# KiCad board shimarray.kicad_pcb (continued)
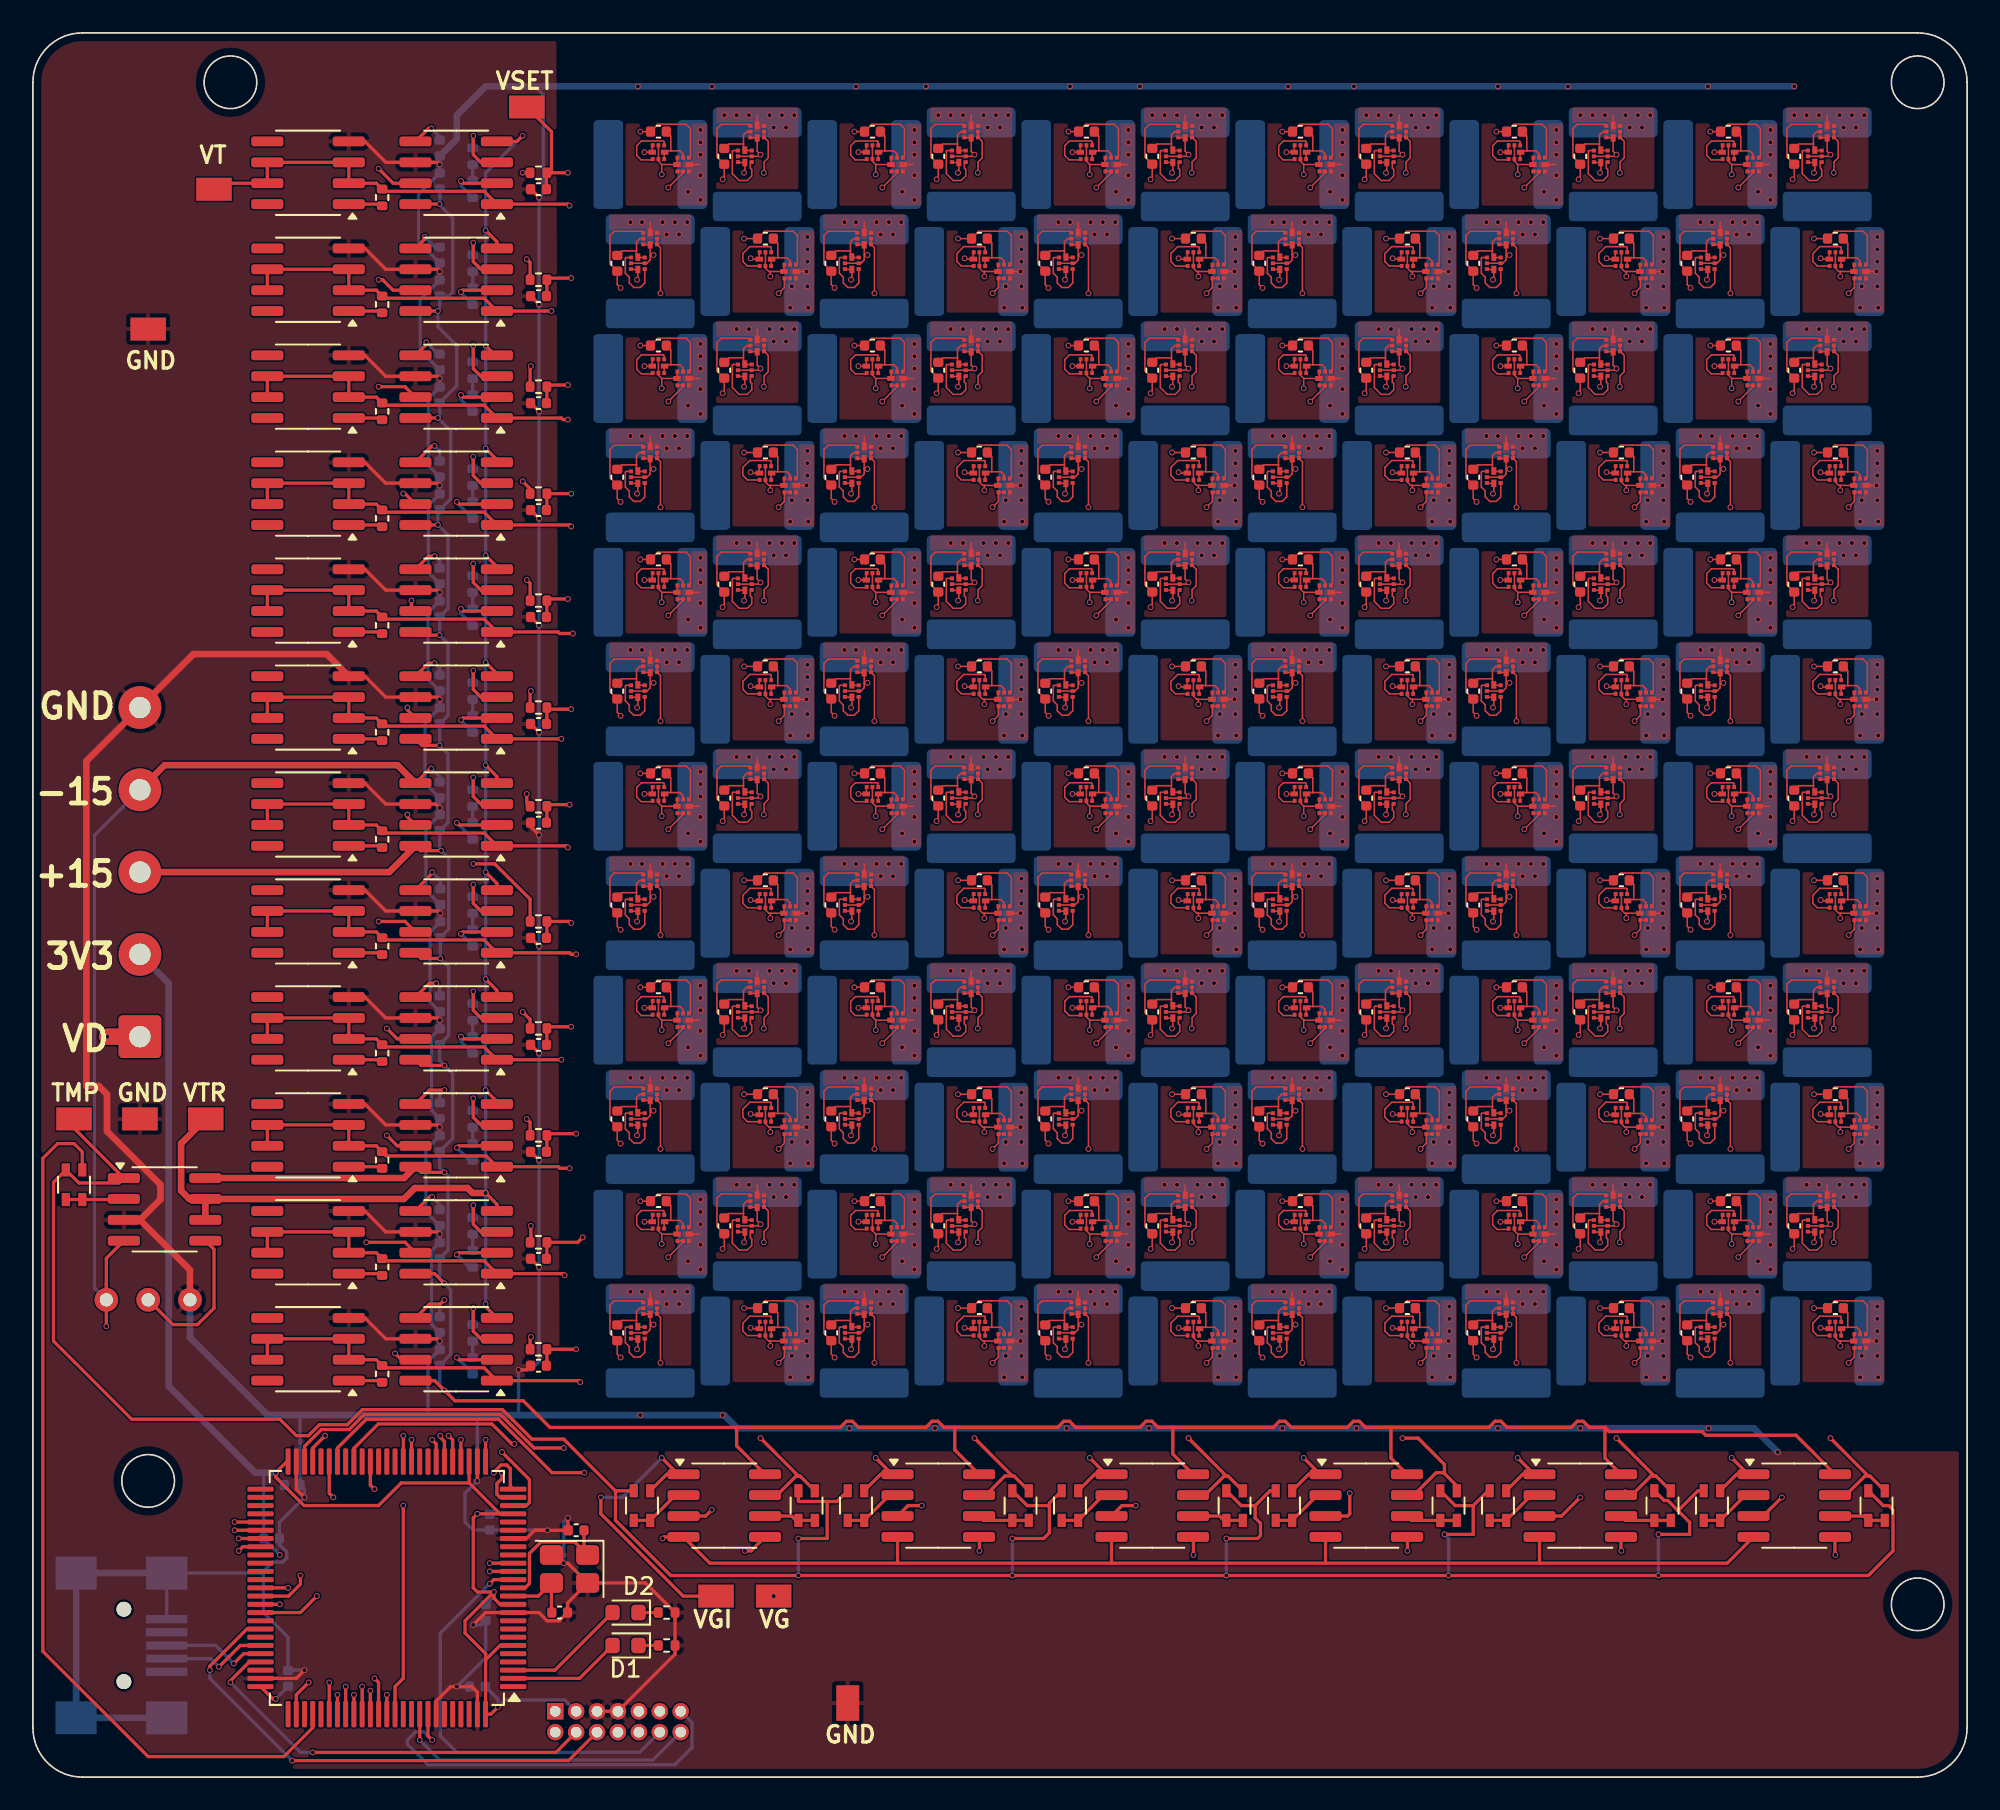
[diagram p0: board, top side]
## Routing (per net, layer and track width the routed paths; a pad name or vN(x,y) marks a point on that pad's centre or on a via; arc(x,y) is an arc through that point) (continued)
Net-(Q63A-S): length 3.7
  Top w0.09: Q63.1 51.35,86.38 51.3,86.43 49.97,86.43 49.68,86.14 49.68,85.56 49.96,85.28 50.6,85.28 Q63.3
Net-(Q64B-G): length 3.1
  Top w0.09: Q64.4 52.5,85.63 52.3,85.83 51.75,85.83 ; C72.1 51.75,86.73 51.75,85.83 ; 51.75,85.83 51.38,85.83 51.35,85.81 51.35,85.42
Net-(Q65A-S): length 4
  Top w0.09: 69.59,85.15 69.59,84.78 69.67,84.69 69.67,84.31 69.39,84.03 68.91,84.03 68.49,84.45 68.49,85.8 68.53,85.85 68.75,85.85
Net-(Q66B-G): length 3.1
  Top w0.09: C73.1 68.27,86.25 69.17,86.25 ; 69.17,86.25 69.17,85.88 69.19,85.85 69.59,85.85 ; 69.17,86.25 69.17,86.8 69.37,87 Q66.4
Net-(Q67A-S): length 3.8
  Top w0.09: 70.15,78.91 70.06,78.83 69.41,78.83 69.13,79.11 69.13,79.59 69.55,80.01 70.8,80.01 70.85,79.97 70.85,79.75
Net-(Q68B-G): length 3.1
  Top w0.09: 71.25,79.33 71.25,80.23 C74.1 ; 71.25,79.33 71.8,79.33 72,79.13 Q68.4 ; 71.25,79.33 70.88,79.33 70.85,79.31 70.85,78.91
Net-(Q69A-S): length 3.9
  Top w0.09: 63.09,78.65 63.17,78.56 63.17,77.81 62.89,77.53 62.51,77.53 62.23,77.81 62.23,78.16 61.99,78.4 61.99,79.3 62.03,79.35 62.25,79.35
Net-(Q70B-G): length 3.1
  Top w0.09: 62.67,79.75 62.67,80.3 62.87,80.5 Q70.4 ; 62.67,79.75 62.67,79.38 62.69,79.35 63.09,79.35 ; 62.67,79.75 61.77,79.75 C75.1
Net-(Q71A-S): length 3.7
  Top w0.09: Q71.1 64.35,86.38 64.3,86.43 62.97,86.43 62.68,86.14 62.68,85.56 62.96,85.28 63.6,85.28 Q71.3
Net-(Q72B-G): length 3.1
  Top w0.09: C76.1 64.75,86.73 64.75,85.83 ; 64.75,85.83 64.38,85.83 64.35,85.81 64.35,85.42 ; 64.75,85.83 65.3,85.83 65.5,85.63 Q72.4
Net-(Q73A-S): length 4
  Top w0.09: 82.59,85.15 82.59,84.78 82.67,84.69 82.67,84.31 82.39,84.03 81.91,84.03 81.49,84.45 81.49,85.8 81.53,85.85 81.75,85.85
Net-(Q74B-G): length 3.1
  Top w0.09: 82.17,86.25 81.27,86.25 C77.1 ; 82.17,86.25 82.17,85.88 82.19,85.85 82.59,85.85 ; 82.17,86.25 82.17,86.8 82.37,87 Q74.4
Net-(Q75A-S): length 3.8
  Top w0.09: 83.85,79.75 83.85,79.97 83.8,80.01 82.55,80.01 82.13,79.59 82.13,79.11 82.41,78.83 83.06,78.83 83.15,78.91
Net-(Q76B-G): length 3.1
  Top w0.09: 83.85,78.91 83.85,79.31 83.88,79.33 84.25,79.33 ; 84.25,79.33 84.25,80.23 C78.1 ; 84.25,79.33 84.8,79.33 85,79.13 Q76.4
Net-(Q77A-S): length 3.9
  Top w0.09: 75.25,79.35 75.03,79.35 74.99,79.3 74.99,78.4 75.23,78.16 75.23,77.81 75.51,77.53 75.89,77.53 76.17,77.81 76.17,78.56 76.09,78.65
Net-(Q78B-G): length 3.1
  Top w0.09: 75.67,79.75 75.67,79.38 75.69,79.35 76.09,79.35 ; 75.67,79.75 75.67,80.3 75.87,80.5 Q78.4 ; 75.67,79.75 74.77,79.75 C79.1
Net-(Q79A-S): length 3.7
  Top w0.09: Q79.1 77.35,86.38 77.3,86.43 75.97,86.43 75.68,86.14 75.68,85.56 75.96,85.28 76.6,85.28 Q79.3
Net-(Q80B-G): length 3.1
  Top w0.09: 77.75,85.83 78.3,85.83 78.5,85.63 Q80.4 ; 77.75,85.83 77.38,85.83 77.35,85.81 77.35,85.42 ; 77.75,85.83 77.75,86.73 C80.1
Net-(Q81A-S): length 4
  Top w0.09: 95.59,85.15 95.59,84.78 95.67,84.69 95.67,84.31 95.39,84.03 94.91,84.03 94.49,84.45 94.49,85.8 94.53,85.85 94.75,85.85
Net-(Q82B-G): length 3.1
  Top w0.09: Q82.4 95.37,87 95.17,86.8 95.17,86.25 ; 95.17,86.25 95.17,85.88 95.19,85.85 95.59,85.85 ; 95.17,86.25 94.27,86.25 C81.1
Net-(Q83A-S): length 3.8
  Top w0.09: 96.85,79.75 96.85,79.97 96.8,80.01 95.55,80.01 95.13,79.59 95.13,79.11 95.41,78.83 96.06,78.83 96.15,78.91
Net-(Q84B-G): length 3.1
  Top w0.09: Q84.4 98,79.13 97.8,79.33 97.25,79.33 ; C82.1 97.25,80.23 97.25,79.33 ; 97.25,79.33 96.88,79.33 96.85,79.31 96.85,78.91
Net-(Q85A-S): length 3.9
  Top w0.09: 89.09,78.65 89.17,78.56 89.17,77.81 88.89,77.53 88.51,77.53 88.23,77.81 88.23,78.16 87.99,78.4 87.99,79.3 88.03,79.35 88.25,79.35
Net-(Q86B-G): length 3.1
  Top w0.09: Q86.4 88.87,80.5 88.67,80.3 88.67,79.75 ; 88.67,79.75 88.67,79.38 88.69,79.35 89.09,79.35 ; 88.67,79.75 87.77,79.75 C83.1
Net-(Q87A-S): length 3.7
  Top w0.09: Q87.3 89.6,85.28 88.96,85.28 88.68,85.56 88.68,86.14 88.97,86.43 90.3,86.43 90.35,86.38 Q87.1
Net-(Q88B-G): length 3.1
  Top w0.09: 90.75,85.83 90.75,86.73 C84.1 ; 90.75,85.83 90.38,85.83 90.35,85.81 90.35,85.42 ; 90.75,85.83 91.3,85.83 91.5,85.63 Q88.4
Net-(Q89A-S): length 4
  Top w0.09: 107.75,85.85 107.53,85.85 107.49,85.8 107.49,84.45 107.91,84.03 108.39,84.03 108.67,84.31 108.67,84.69 108.59,84.78 108.59,85.15
Net-(Q90B-G): length 3.1
  Top w0.09: 108.59,85.85 108.19,85.85 108.17,85.88 108.17,86.25 ; 108.17,86.25 108.17,86.8 108.37,87 Q90.4 ; 108.17,86.25 107.27,86.25 C85.1
Net-(Q91A-S): length 3.8
  Top w0.09: 109.85,79.75 109.85,79.97 109.8,80.01 108.55,80.01 108.13,79.59 108.13,79.11 108.41,78.83 109.06,78.83 109.15,78.91
Net-(Q92B-G): length 3.1
  Top w0.09: Q92.4 111,79.13 110.8,79.33 110.25,79.33 ; C86.1 110.25,80.23 110.25,79.33 ; 110.25,79.33 109.88,79.33 109.85,79.31 109.85,78.91
Net-(Q93A-S): length 3.9
  Top w0.09: 101.25,79.35 101.03,79.35 100.99,79.3 100.99,78.4 101.23,78.16 101.23,77.81 101.51,77.53 101.89,77.53 102.17,77.81 102.17,78.56 102.09,78.65
Net-(Q94B-G): length 3.1
  Top w0.09: C87.1 100.77,79.75 101.67,79.75 ; 102.09,79.35 101.69,79.35 101.67,79.38 101.67,79.75 ; 101.67,79.75 101.67,80.3 101.87,80.5 Q94.4
Net-(Q95A-S): length 3.7
  Top w0.09: Q95.1 103.35,86.38 103.3,86.43 101.97,86.43 101.68,86.14 101.68,85.56 101.96,85.28 102.6,85.28 Q95.3
Net-(Q96B-G): length 3.1
  Top w0.09: 103.75,85.83 103.75,86.73 C88.1 ; 103.75,85.83 103.38,85.83 103.35,85.81 103.35,85.42 ; 103.75,85.83 104.3,85.83 104.5,85.63 Q96.4
Net-(Q97A-S): length 4
  Top w0.09: 42.75,72.85 42.53,72.85 42.49,72.8 42.49,71.45 42.91,71.03 43.39,71.03 43.67,71.31 43.67,71.69 43.59,71.78 43.59,72.15
Net-(Q98B-G): length 3.1
  Top w0.09: C89.1 42.27,73.25 43.17,73.25 ; 43.17,73.25 43.17,72.88 43.19,72.85 43.59,72.85 ; 43.17,73.25 43.17,73.8 43.37,74 Q98.4
Net-(Q99A-S): length 3.8
  Top w0.09: 44.85,66.75 44.85,66.97 44.8,67.01 43.55,67.01 43.13,66.59 43.13,66.11 43.41,65.83 44.06,65.83 44.15,65.91
Net-(Q100B-G): length 3.1
  Top w0.09: 45.25,66.33 44.88,66.33 44.85,66.31 44.85,65.91 ; 45.25,66.33 45.8,66.33 46,66.13 Q100.4 ; 45.25,66.33 45.25,67.23 C90.1
Net-(Q101A-S): length 3.9
  Top w0.09: 36.25,66.35 36.03,66.35 35.99,66.3 35.99,65.4 36.23,65.16 36.23,64.81 36.51,64.53 36.89,64.53 37.17,64.81 37.17,65.56 37.09,65.65
Net-(Q102B-G): length 3.1
  Top w0.09: 37.09,66.35 36.69,66.35 36.67,66.38 36.67,66.75 ; 36.67,66.75 36.67,67.3 36.87,67.5 Q102.4 ; 36.67,66.75 35.77,66.75 C91.1
Net-(Q103A-S): length 3.7
  Top w0.09: Q103.1 38.35,73.38 38.3,73.43 36.97,73.43 36.68,73.14 36.68,72.56 36.96,72.28 37.6,72.28 Q103.3
Net-(Q104B-G): length 3.1
  Top w0.09: Q104.4 39.5,72.63 39.3,72.83 38.75,72.83 ; C92.1 38.75,73.73 38.75,72.83 ; 38.75,72.83 38.38,72.83 38.35,72.81 38.35,72.41
Net-(Q105A-S): length 4
  Top w0.09: 56.59,72.15 56.59,71.78 56.67,71.69 56.67,71.31 56.39,71.03 55.91,71.03 55.49,71.45 55.49,72.8 55.53,72.85 55.75,72.85
Net-(Q106B-G): length 3.1
  Top w0.09: C93.1 55.27,73.25 56.17,73.25 ; Q106.4 56.37,74 56.17,73.8 56.17,73.25 ; 56.17,73.25 56.17,72.88 56.19,72.85 56.59,72.85
Net-(Q107A-S): length 3.8
  Top w0.09: 57.15,65.91 57.06,65.83 56.41,65.83 56.13,66.11 56.13,66.59 56.55,67.01 57.8,67.01 57.85,66.97 57.85,66.75
Net-(Q108B-G): length 3.1
  Top w0.09: 57.85,65.91 57.85,66.31 57.88,66.33 58.25,66.33 ; Q108.4 59,66.13 58.8,66.33 58.25,66.33 ; 58.25,66.33 58.25,67.23 C94.1
Net-(Q109A-S): length 3.9
  Top w0.09: 49.25,66.35 49.03,66.35 48.99,66.3 48.99,65.4 49.23,65.16 49.23,64.81 49.51,64.53 49.89,64.53 50.17,64.81 50.17,65.56 50.09,65.65
Net-(Q110B-G): length 3.1
  Top w0.09: 49.67,66.75 49.67,67.3 49.87,67.5 Q110.4 ; 49.67,66.75 49.67,66.38 49.69,66.35 50.09,66.35 ; 49.67,66.75 48.77,66.75 C95.1
Net-(Q111A-S): length 3.7
  Top w0.09: Q111.1 51.35,73.38 51.3,73.43 49.97,73.43 49.68,73.14 49.68,72.56 49.96,72.28 50.6,72.28 Q111.3
Net-(Q112B-G): length 3.1
  Top w0.09: C96.1 51.75,73.73 51.75,72.83 ; 51.75,72.83 52.3,72.83 52.5,72.63 Q112.4 ; 51.75,72.83 51.38,72.83 51.35,72.81 51.35,72.41
Net-(Q113A-S): length 4
  Top w0.09: 68.75,72.85 68.53,72.85 68.49,72.8 68.49,71.45 68.91,71.03 69.39,71.03 69.67,71.31 69.67,71.69 69.59,71.78 69.59,72.15
Net-(Q114B-G): length 3.1
  Top w0.09: 69.17,73.25 69.17,73.8 69.37,74 Q114.4 ; 69.17,73.25 69.17,72.88 69.19,72.85 69.59,72.85 ; 69.17,73.25 68.27,73.25 C97.1
Net-(Q115A-S): length 3.8
  Top w0.09: 70.85,66.75 70.85,66.97 70.8,67.01 69.55,67.01 69.13,66.59 69.13,66.11 69.41,65.83 70.06,65.83 70.15,65.91
Net-(Q116B-G): length 3.1
  Top w0.09: C98.1 71.25,67.23 71.25,66.33 ; 71.25,66.33 71.8,66.33 72,66.13 Q116.4 ; 71.25,66.33 70.88,66.33 70.85,66.31 70.85,65.91
Net-(Q117A-S): length 3.9
  Top w0.09: 62.25,66.35 62.03,66.35 61.99,66.3 61.99,65.4 62.23,65.16 62.23,64.81 62.51,64.53 62.89,64.53 63.17,64.81 63.17,65.56 63.09,65.65
Net-(Q118B-G): length 3.1
  Top w0.09: 63.09,66.35 62.69,66.35 62.67,66.38 62.67,66.75 ; 62.67,66.75 61.77,66.75 C99.1 ; 62.67,66.75 62.67,67.3 62.87,67.5 Q118.4
Net-(Q119A-S): length 3.7
  Top w0.09: Q119.1 64.35,73.38 64.3,73.43 62.97,73.43 62.68,73.14 62.68,72.56 62.96,72.28 63.6,72.28 Q119.3
Net-(Q120B-G): length 3.1
  Top w0.09: Q120.4 65.5,72.63 65.3,72.83 64.75,72.83 ; 64.75,72.83 64.75,73.73 C100.1 ; 64.75,72.83 64.38,72.83 64.35,72.81 64.35,72.41
Net-(Q121A-S): length 4
  Top w0.09: 81.75,72.85 81.53,72.85 81.49,72.8 81.49,71.45 81.91,71.03 82.39,71.03 82.67,71.31 82.67,71.69 82.59,71.78 82.59,72.15
Net-(Q122B-G): length 3.1
  Top w0.09: 82.59,72.85 82.19,72.85 82.17,72.88 82.17,73.25 ; Q122.4 82.37,74 82.17,73.8 82.17,73.25 ; 82.17,73.25 81.27,73.25 C101.1
Net-(Q123A-S): length 3.8
  Top w0.09: 83.85,66.75 83.85,66.97 83.8,67.01 82.55,67.01 82.13,66.59 82.13,66.11 82.41,65.83 83.06,65.83 83.15,65.91
Net-(Q124B-G): length 3.1
  Top w0.09: C102.1 84.25,67.23 84.25,66.33 ; 84.25,66.33 83.88,66.33 83.85,66.31 83.85,65.91 ; 84.25,66.33 84.8,66.33 85,66.13 Q124.4
Net-(Q125A-S): length 3.9
  Top w0.09: 76.09,65.65 76.17,65.56 76.17,64.81 75.89,64.53 75.51,64.53 75.23,64.81 75.23,65.16 74.99,65.4 74.99,66.3 75.03,66.35 75.25,66.35
Net-(Q126B-G): length 3.1
  Top w0.09: 75.67,66.75 75.67,67.3 75.87,67.5 Q126.4 ; 75.67,66.75 74.77,66.75 C103.1 ; 75.67,66.75 75.67,66.38 75.69,66.35 76.09,66.35
Net-(Q127A-S): length 3.7
  Top w0.09: Q127.3 76.6,72.28 75.96,72.28 75.68,72.56 75.68,73.14 75.97,73.43 77.3,73.43 77.35,73.38 Q127.1
Net-(Q128B-G): length 3.1
  Top w0.09: 77.35,72.41 77.35,72.81 77.38,72.83 77.75,72.83 ; 77.75,72.83 78.3,72.83 78.5,72.63 Q128.4 ; 77.75,72.83 77.75,73.73 C104.1
Net-(Q129A-S): length 4
  Top w0.09: 95.59,72.15 95.59,71.78 95.67,71.69 95.67,71.31 95.39,71.03 94.91,71.03 94.49,71.45 94.49,72.8 94.53,72.85 94.75,72.85
Net-(Q130B-G): length 3.1
  Top w0.09: 95.17,73.25 95.17,73.8 95.37,74 Q130.4 ; 95.17,73.25 94.27,73.25 C105.1 ; 95.17,73.25 95.17,72.88 95.19,72.85 95.59,72.85
Net-(Q131A-S): length 3.8
  Top w0.09: 96.15,65.91 96.06,65.83 95.41,65.83 95.13,66.11 95.13,66.59 95.55,67.01 96.8,67.01 96.85,66.97 96.85,66.75
Net-(Q132B-G): length 3.1
  Top w0.09: 96.85,65.91 96.85,66.31 96.88,66.33 97.25,66.33 ; 97.25,66.33 97.8,66.33 98,66.13 Q132.4 ; 97.25,66.33 97.25,67.23 C106.1
Net-(Q133A-S): length 3.9
  Top w0.09: 89.09,65.65 89.17,65.56 89.17,64.81 88.89,64.53 88.51,64.53 88.23,64.81 88.23,65.16 87.99,65.4 87.99,66.3 88.03,66.35 88.25,66.35
Net-(Q134B-G): length 3.1
  Top w0.09: 88.67,66.75 87.77,66.75 C107.1 ; 88.67,66.75 88.67,66.38 88.69,66.35 89.09,66.35 ; 88.67,66.75 88.67,67.3 88.87,67.5 Q134.4
Net-(Q135A-S): length 3.7
  Top w0.09: Q135.3 89.6,72.28 88.96,72.28 88.68,72.56 88.68,73.14 88.97,73.43 90.3,73.43 90.35,73.38 Q135.1
Net-(Q136B-G): length 3.1
  Top w0.09: 90.75,72.83 91.3,72.83 91.5,72.63 Q136.4 ; 90.75,72.83 90.38,72.83 90.35,72.81 90.35,72.41 ; 90.75,72.83 90.75,73.73 C108.1
Net-(Q137A-S): length 4
  Top w0.09: 107.75,72.85 107.53,72.85 107.49,72.8 107.49,71.45 107.91,71.03 108.39,71.03 108.67,71.31 108.67,71.69 108.59,71.78 108.59,72.15
Net-(Q138B-G): length 3.1
  Top w0.09: 108.17,73.25 107.27,73.25 C109.1 ; 108.17,73.25 108.17,72.88 108.19,72.85 108.59,72.85 ; 108.17,73.25 108.17,73.8 108.37,74 Q138.4
Net-(Q139A-S): length 3.8
  Top w0.09: 109.15,65.91 109.06,65.83 108.41,65.83 108.13,66.11 108.13,66.59 108.55,67.01 109.8,67.01 109.85,66.97 109.85,66.75
Net-(Q140B-G): length 3.1
  Top w0.09: 110.25,66.33 109.88,66.33 109.85,66.31 109.85,65.91 ; 110.25,66.33 110.25,67.23 C110.1 ; 110.25,66.33 110.8,66.33 111,66.13 Q140.4
Net-(Q141A-S): length 3.9
  Top w0.09: 101.25,66.35 101.03,66.35 100.99,66.3 100.99,65.4 101.23,65.16 101.23,64.81 101.51,64.53 101.89,64.53 102.17,64.81 102.17,65.56 102.09,65.65
Net-(Q142B-G): length 3.1
  Top w0.09: 101.67,66.75 101.67,67.3 101.87,67.5 Q142.4 ; 101.67,66.75 100.77,66.75 C111.1 ; 101.67,66.75 101.67,66.38 101.69,66.35 102.09,66.35
Net-(Q143A-S): length 3.7
  Top w0.09: Q143.3 102.6,72.28 101.96,72.28 101.68,72.56 101.68,73.14 101.97,73.43 103.3,73.43 103.35,73.38 Q143.1
Net-(Q144B-G): length 3.1
  Top w0.09: C112.1 103.75,73.73 103.75,72.83 ; 103.75,72.83 103.38,72.83 103.35,72.81 103.35,72.41 ; 103.75,72.83 104.3,72.83 104.5,72.63 Q144.4
Net-(Q145A-S): length 4
  Top w0.09: 43.59,59.15 43.59,58.78 43.67,58.69 43.67,58.31 43.39,58.03 42.91,58.03 42.49,58.45 42.49,59.8 42.53,59.85 42.75,59.85
Net-(Q146B-G): length 3.1
  Top w0.09: 43.59,59.85 43.19,59.85 43.17,59.88 43.17,60.25 ; 43.17,60.25 42.27,60.25 C113.1 ; 43.17,60.25 43.17,60.8 43.37,61 Q146.4
Net-(Q147A-S): length 3.8
  Top w0.09: 44.85,53.75 44.85,53.97 44.8,54.01 43.55,54.01 43.13,53.59 43.13,53.11 43.41,52.83 44.06,52.83 44.15,52.91
Net-(Q148B-G): length 3.1
  Top w0.09: 44.85,52.91 44.85,53.31 44.88,53.33 45.25,53.33 ; 45.25,53.33 45.25,54.23 C114.1 ; 45.25,53.33 45.8,53.33 46,53.13 Q148.4
Net-(Q149A-S): length 3.9
  Top w0.09: 37.09,52.65 37.17,52.56 37.17,51.81 36.89,51.53 36.51,51.53 36.23,51.81 36.23,52.16 35.99,52.4 35.99,53.3 36.03,53.35 36.25,53.35
Net-(Q150B-G): length 3.1
  Top w0.09: 37.09,53.35 36.69,53.35 36.67,53.38 36.67,53.75 ; 36.67,53.75 35.77,53.75 C115.1 ; 36.67,53.75 36.67,54.3 36.87,54.5 Q150.4
Net-(Q151A-S): length 3.7
  Top w0.09: Q151.3 37.6,59.28 36.96,59.28 36.68,59.56 36.68,60.14 36.97,60.43 38.3,60.43 38.35,60.38 Q151.1
Net-(Q152B-G): length 3.1
  Top w0.09: 38.75,59.83 39.3,59.83 39.5,59.63 Q152.4 ; 38.75,59.83 38.38,59.83 38.35,59.81 38.35,59.41 ; 38.75,59.83 38.75,60.73 C116.1
Net-(Q153A-S): length 4
  Top w0.09: 56.59,59.15 56.59,58.78 56.67,58.69 56.67,58.31 56.39,58.03 55.91,58.03 55.49,58.45 55.49,59.8 55.53,59.85 55.75,59.85
Net-(Q154B-G): length 3.1
  Top w0.09: 56.17,60.25 55.27,60.25 C117.1 ; 56.17,60.25 56.17,60.8 56.37,61 Q154.4 ; 56.17,60.25 56.17,59.88 56.19,59.85 56.59,59.85
Net-(Q155A-S): length 3.8
  Top w0.09: 57.85,53.75 57.85,53.97 57.8,54.01 56.55,54.01 56.13,53.59 56.13,53.11 56.41,52.83 57.06,52.83 57.15,52.91
Net-(Q156B-G): length 3.1
  Top w0.09: C118.1 58.25,54.23 58.25,53.33 ; 58.25,53.33 58.8,53.33 59,53.13 Q156.4 ; 58.25,53.33 57.88,53.33 57.85,53.31 57.85,52.91
Net-(Q157A-S): length 3.9
  Top w0.09: 49.25,53.35 49.03,53.35 48.99,53.3 48.99,52.4 49.23,52.16 49.23,51.81 49.51,51.53 49.89,51.53 50.17,51.81 50.17,52.56 50.09,52.65
Net-(Q158B-G): length 3.1
  Top w0.09: 49.67,53.75 48.77,53.75 C119.1 ; 49.67,53.75 49.67,53.38 49.69,53.35 50.09,53.35 ; 49.67,53.75 49.67,54.3 49.87,54.5 Q158.4
Net-(Q159A-S): length 3.7
  Top w0.09: Q159.1 51.35,60.38 51.3,60.43 49.97,60.43 49.68,60.14 49.68,59.56 49.96,59.28 50.6,59.28 Q159.3
Net-(Q160B-G): length 3.1
  Top w0.09: 51.35,59.41 51.35,59.81 51.38,59.83 51.75,59.83 ; 51.75,59.83 51.75,60.73 C120.1 ; 51.75,59.83 52.3,59.83 52.5,59.63 Q160.4
Net-(Q161A-S): length 4
  Top w0.09: 69.59,59.15 69.59,58.78 69.67,58.69 69.67,58.31 69.39,58.03 68.91,58.03 68.49,58.45 68.49,59.8 68.53,59.85 68.75,59.85
Net-(Q162B-G): length 3.1
  Top w0.09: 69.17,60.25 68.27,60.25 C121.1 ; 69.17,60.25 69.17,60.8 69.37,61 Q162.4 ; 69.17,60.25 69.17,59.88 69.19,59.85 69.59,59.85
Net-(Q163A-S): length 3.8
  Top w0.09: 70.15,52.91 70.06,52.83 69.41,52.83 69.13,53.11 69.13,53.59 69.55,54.01 70.8,54.01 70.85,53.97 70.85,53.75
Net-(Q164B-G): length 3.1
  Top w0.09: C122.1 71.25,54.23 71.25,53.33 ; 71.25,53.33 70.88,53.33 70.85,53.31 70.85,52.91 ; 71.25,53.33 71.8,53.33 72,53.13 Q164.4
Net-(Q165A-S): length 3.9
  Top w0.09: 63.09,52.65 63.17,52.56 63.17,51.81 62.89,51.53 62.51,51.53 62.23,51.81 62.23,52.16 61.99,52.4 61.99,53.3 62.03,53.35 62.25,53.35
Net-(Q166B-G): length 3.1
  Top w0.09: 63.09,53.35 62.69,53.35 62.67,53.38 62.67,53.75 ; 62.67,53.75 61.77,53.75 C123.1 ; 62.67,53.75 62.67,54.3 62.87,54.5 Q166.4
Net-(Q167A-S): length 3.7
  Top w0.09: Q167.1 64.35,60.38 64.3,60.43 62.97,60.43 62.68,60.14 62.68,59.56 62.96,59.28 63.6,59.28 Q167.3
Net-(Q168B-G): length 3.1
  Top w0.09: 64.35,59.41 64.35,59.81 64.38,59.83 64.75,59.83 ; 64.75,59.83 64.75,60.73 C124.1 ; 64.75,59.83 65.3,59.83 65.5,59.63 Q168.4
Net-(Q169A-S): length 4
  Top w0.09: 81.75,59.85 81.53,59.85 81.49,59.8 81.49,58.45 81.91,58.03 82.39,58.03 82.67,58.31 82.67,58.69 82.59,58.78 82.59,59.15
Net-(Q170B-G): length 3.1
  Top w0.09: 82.17,60.25 81.27,60.25 C125.1 ; 82.17,60.25 82.17,59.88 82.19,59.85 82.59,59.85 ; 82.17,60.25 82.17,60.8 82.37,61 Q170.4
Net-(Q171A-S): length 3.8
  Top w0.09: 83.85,53.75 83.85,53.97 83.8,54.01 82.55,54.01 82.13,53.59 82.13,53.11 82.41,52.83 83.06,52.83 83.15,52.91
Net-(Q172B-G): length 3.1
  Top w0.09: C126.1 84.25,54.23 84.25,53.33 ; Q172.4 85,53.13 84.8,53.33 84.25,53.33 ; 83.85,52.91 83.85,53.31 83.88,53.33 84.25,53.33
Net-(Q173A-S): length 3.9
  Top w0.09: 76.09,52.65 76.17,52.56 76.17,51.81 75.89,51.53 75.51,51.53 75.23,51.81 75.23,52.16 74.99,52.4 74.99,53.3 75.03,53.35 75.25,53.35
Net-(Q174B-G): length 3.1
  Top w0.09: 75.67,53.75 75.67,54.3 75.87,54.5 Q174.4 ; 75.67,53.75 74.77,53.75 C127.1 ; 75.67,53.75 75.67,53.38 75.69,53.35 76.09,53.35
Net-(Q175A-S): length 3.7
  Top w0.09: Q175.1 77.35,60.38 77.3,60.43 75.97,60.43 75.68,60.14 75.68,59.56 75.96,59.28 76.6,59.28 Q175.3
Net-(Q176B-G): length 3.1
  Top w0.09: 77.35,59.41 77.35,59.81 77.38,59.83 77.75,59.83 ; 77.75,59.83 77.75,60.73 C128.1 ; 77.75,59.83 78.3,59.83 78.5,59.63 Q176.4
Net-(Q177A-S): length 4
  Top w0.09: 95.59,59.15 95.59,58.78 95.67,58.69 95.67,58.31 95.39,58.03 94.91,58.03 94.49,58.45 94.49,59.8 94.53,59.85 94.75,59.85
Net-(Q178B-G): length 3.1
  Top w0.09: 95.59,59.85 95.19,59.85 95.17,59.88 95.17,60.25 ; 95.17,60.25 94.27,60.25 C129.1 ; 95.17,60.25 95.17,60.8 95.37,61 Q178.4
Net-(Q179A-S): length 3.8
  Top w0.09: 96.85,53.75 96.85,53.97 96.8,54.01 95.55,54.01 95.13,53.59 95.13,53.11 95.41,52.83 96.06,52.83 96.15,52.91
Net-(Q180B-G): length 3.1
  Top w0.09: Q180.4 98,53.13 97.8,53.33 97.25,53.33 ; 96.85,52.91 96.85,53.31 96.88,53.33 97.25,53.33 ; 97.25,53.33 97.25,54.23 C130.1
Net-(Q181A-S): length 3.9
  Top w0.09: 89.09,52.65 89.17,52.56 89.17,51.81 88.89,51.53 88.51,51.53 88.23,51.81 88.23,52.16 87.99,52.4 87.99,53.3 88.03,53.35 88.25,53.35
Net-(Q182B-G): length 3.1
  Top w0.09: 88.67,53.75 88.67,54.3 88.87,54.5 Q182.4 ; 88.67,53.75 88.67,53.38 88.69,53.35 89.09,53.35 ; 88.67,53.75 87.77,53.75 C131.1
Net-(Q183A-S): length 3.7
  Top w0.09: Q183.3 89.6,59.28 88.96,59.28 88.68,59.56 88.68,60.14 88.97,60.43 90.3,60.43 90.35,60.38 Q183.1
Net-(Q184B-G): length 3.1
  Top w0.09: C132.1 90.75,60.73 90.75,59.83 ; 90.75,59.83 91.3,59.83 91.5,59.63 Q184.4 ; 90.75,59.83 90.38,59.83 90.35,59.81 90.35,59.41
Net-(Q185A-S): length 4
  Top w0.09: 107.75,59.85 107.53,59.85 107.49,59.8 107.49,58.45 107.91,58.03 108.39,58.03 108.67,58.31 108.67,58.69 108.59,58.78 108.59,59.15
Net-(Q186B-G): length 3.1
  Top w0.09: 108.17,60.25 108.17,59.88 108.19,59.85 108.59,59.85 ; 108.17,60.25 108.17,60.8 108.37,61 Q186.4 ; 108.17,60.25 107.27,60.25 C133.1
Net-(Q187A-S): length 3.8
  Top w0.09: 109.85,53.75 109.85,53.97 109.8,54.01 108.55,54.01 108.13,53.59 108.13,53.11 108.41,52.83 109.06,52.83 109.15,52.91
Net-(Q188B-G): length 3.1
  Top w0.09: Q188.4 111,53.13 110.8,53.33 110.25,53.33 ; 109.85,52.91 109.85,53.31 109.88,53.33 110.25,53.33 ; C134.1 110.25,54.23 110.25,53.33
Net-(Q189A-S): length 3.9
  Top w0.09: 101.25,53.35 101.03,53.35 100.99,53.3 100.99,52.4 101.23,52.16 101.23,51.81 101.51,51.53 101.89,51.53 102.17,51.81 102.17,52.56 102.09,52.65
Net-(Q190B-G): length 3.1
  Top w0.09: 101.67,53.75 101.67,54.3 101.87,54.5 Q190.4 ; 101.67,53.75 100.77,53.75 C135.1 ; 101.67,53.75 101.67,53.38 101.69,53.35 102.09,53.35
Net-(Q191A-S): length 3.7
  Top w0.09: Q191.1 103.35,60.38 103.3,60.43 101.97,60.43 101.68,60.14 101.68,59.56 101.96,59.28 102.6,59.28 Q191.3
Net-(Q192B-G): length 3.1
  Top w0.09: 103.75,59.83 103.75,60.73 C136.1 ; 103.75,59.83 103.38,59.83 103.35,59.81 103.35,59.41 ; 103.75,59.83 104.3,59.83 104.5,59.63 Q192.4
Net-(Q193A-S): length 4
  Top w0.09: 42.75,46.85 42.53,46.85 42.49,46.8 42.49,45.45 42.91,45.03 43.39,45.03 43.67,45.31 43.67,45.69 43.59,45.78 43.59,46.15
Net-(Q194B-G): length 3.1
  Top w0.09: 43.17,47.25 43.17,47.8 43.37,48 Q194.4 ; 43.17,47.25 42.27,47.25 C137.1 ; 43.17,47.25 43.17,46.88 43.19,46.85 43.59,46.85
Net-(Q195A-S): length 3.8
  Top w0.09: 44.15,39.91 44.06,39.83 43.41,39.83 43.13,40.11 43.13,40.59 43.55,41.01 44.8,41.01 44.85,40.97 44.85,40.75
Net-(Q196B-G): length 3.1
  Top w0.09: 44.85,39.91 44.85,40.31 44.88,40.33 45.25,40.33 ; 45.25,40.33 45.25,41.23 C138.1 ; 45.25,40.33 45.8,40.33 46,40.13 Q196.4
Net-(Q197A-S): length 3.9
  Top w0.09: 37.09,39.65 37.17,39.56 37.17,38.81 36.89,38.53 36.51,38.53 36.23,38.81 36.23,39.16 35.99,39.4 35.99,40.3 36.03,40.35 36.25,40.35
Net-(Q198B-G): length 3.1
  Top w0.09: C139.1 35.77,40.75 36.67,40.75 ; 36.67,40.75 36.67,40.38 36.69,40.35 37.09,40.35 ; 36.67,40.75 36.67,41.3 36.87,41.5 Q198.4
Net-(Q199A-S): length 3.7
  Top w0.09: Q199.3 37.6,46.28 36.96,46.28 36.68,46.56 36.68,47.14 36.97,47.43 38.3,47.43 38.35,47.38 Q199.1
Net-(Q200B-G): length 3.1
  Top w0.09: 38.75,46.83 38.38,46.83 38.35,46.81 38.35,46.41 ; 38.75,46.83 39.3,46.83 39.5,46.63 Q200.4 ; 38.75,46.83 38.75,47.73 C140.1
Net-(Q201A-S): length 4
  Top w0.09: 55.75,46.85 55.53,46.85 55.49,46.8 55.49,45.45 55.91,45.03 56.39,45.03 56.67,45.31 56.67,45.69 56.59,45.78 56.59,46.15
Net-(Q202B-G): length 3.1
  Top w0.09: 56.17,47.25 55.27,47.25 C141.1 ; 56.17,47.25 56.17,47.8 56.37,48 Q202.4 ; 56.17,47.25 56.17,46.88 56.19,46.85 56.59,46.85
Net-(Q203A-S): length 3.8
  Top w0.09: 57.85,40.75 57.85,40.97 57.8,41.01 56.55,41.01 56.13,40.59 56.13,40.11 56.41,39.83 57.06,39.83 57.15,39.91
Net-(Q204B-G): length 3.1
  Top w0.09: 57.85,39.91 57.85,40.31 57.88,40.33 58.25,40.33 ; 58.25,40.33 58.8,40.33 59,40.13 Q204.4 ; 58.25,40.33 58.25,41.23 C142.1
Net-(Q205A-S): length 3.9
  Top w0.09: 49.25,40.35 49.03,40.35 48.99,40.3 48.99,39.4 49.23,39.16 49.23,38.81 49.51,38.53 49.89,38.53 50.17,38.81 50.17,39.56 50.09,39.65
Net-(Q206B-G): length 3.1
  Top w0.09: 50.09,40.35 49.69,40.35 49.67,40.38 49.67,40.75 ; 49.67,40.75 48.77,40.75 C143.1 ; 49.67,40.75 49.67,41.3 49.87,41.5 Q206.4
Net-(Q207A-S): length 3.7
  Top w0.09: Q207.1 51.35,47.38 51.3,47.43 49.97,47.43 49.68,47.14 49.68,46.56 49.96,46.28 50.6,46.28 Q207.3
Net-(Q208B-G): length 3.1
  Top w0.09: 51.75,46.83 51.75,47.73 C144.1 ; 51.75,46.83 51.38,46.83 51.35,46.81 51.35,46.41 ; 51.75,46.83 52.3,46.83 52.5,46.63 Q208.4
Net-(Q209A-S): length 4
  Top w0.09: 68.75,46.85 68.53,46.85 68.49,46.8 68.49,45.45 68.91,45.03 69.39,45.03 69.67,45.31 69.67,45.69 69.59,45.78 69.59,46.15
Net-(Q210B-G): length 3.1
  Top w0.09: C145.1 68.27,47.25 69.17,47.25 ; 69.17,47.25 69.17,47.8 69.37,48 Q210.4 ; 69.17,47.25 69.17,46.88 69.19,46.85 69.59,46.85
Net-(Q211A-S): length 3.8
  Top w0.09: 70.15,39.91 70.06,39.83 69.41,39.83 69.13,40.11 69.13,40.59 69.55,41.01 70.8,41.01 70.85,40.97 70.85,40.75
Net-(Q212B-G): length 3.1
  Top w0.09: 70.85,39.91 70.85,40.31 70.88,40.33 71.25,40.33 ; 71.25,40.33 71.8,40.33 72,40.13 Q212.4 ; 71.25,40.33 71.25,41.23 C146.1
Net-(Q213A-S): length 3.9
  Top w0.09: 62.25,40.35 62.03,40.35 61.99,40.3 61.99,39.4 62.23,39.16 62.23,38.81 62.51,38.53 62.89,38.53 63.17,38.81 63.17,39.56 63.09,39.65
Net-(Q214B-G): length 3.1